# KiCad board accurate2_eval.kicad_pcb
title: EDA-04887-V1-0 Accurate 2A Evaluation Board; date: 2024-01-25; rev: 1; company: CERN; note: European Organization for Nuclear Research; note: CH-1211 Genève 23 - Switzerland; note: Licensed under CERN OHL-P v2; note: https://ohwr.org/project/accurate2-eval
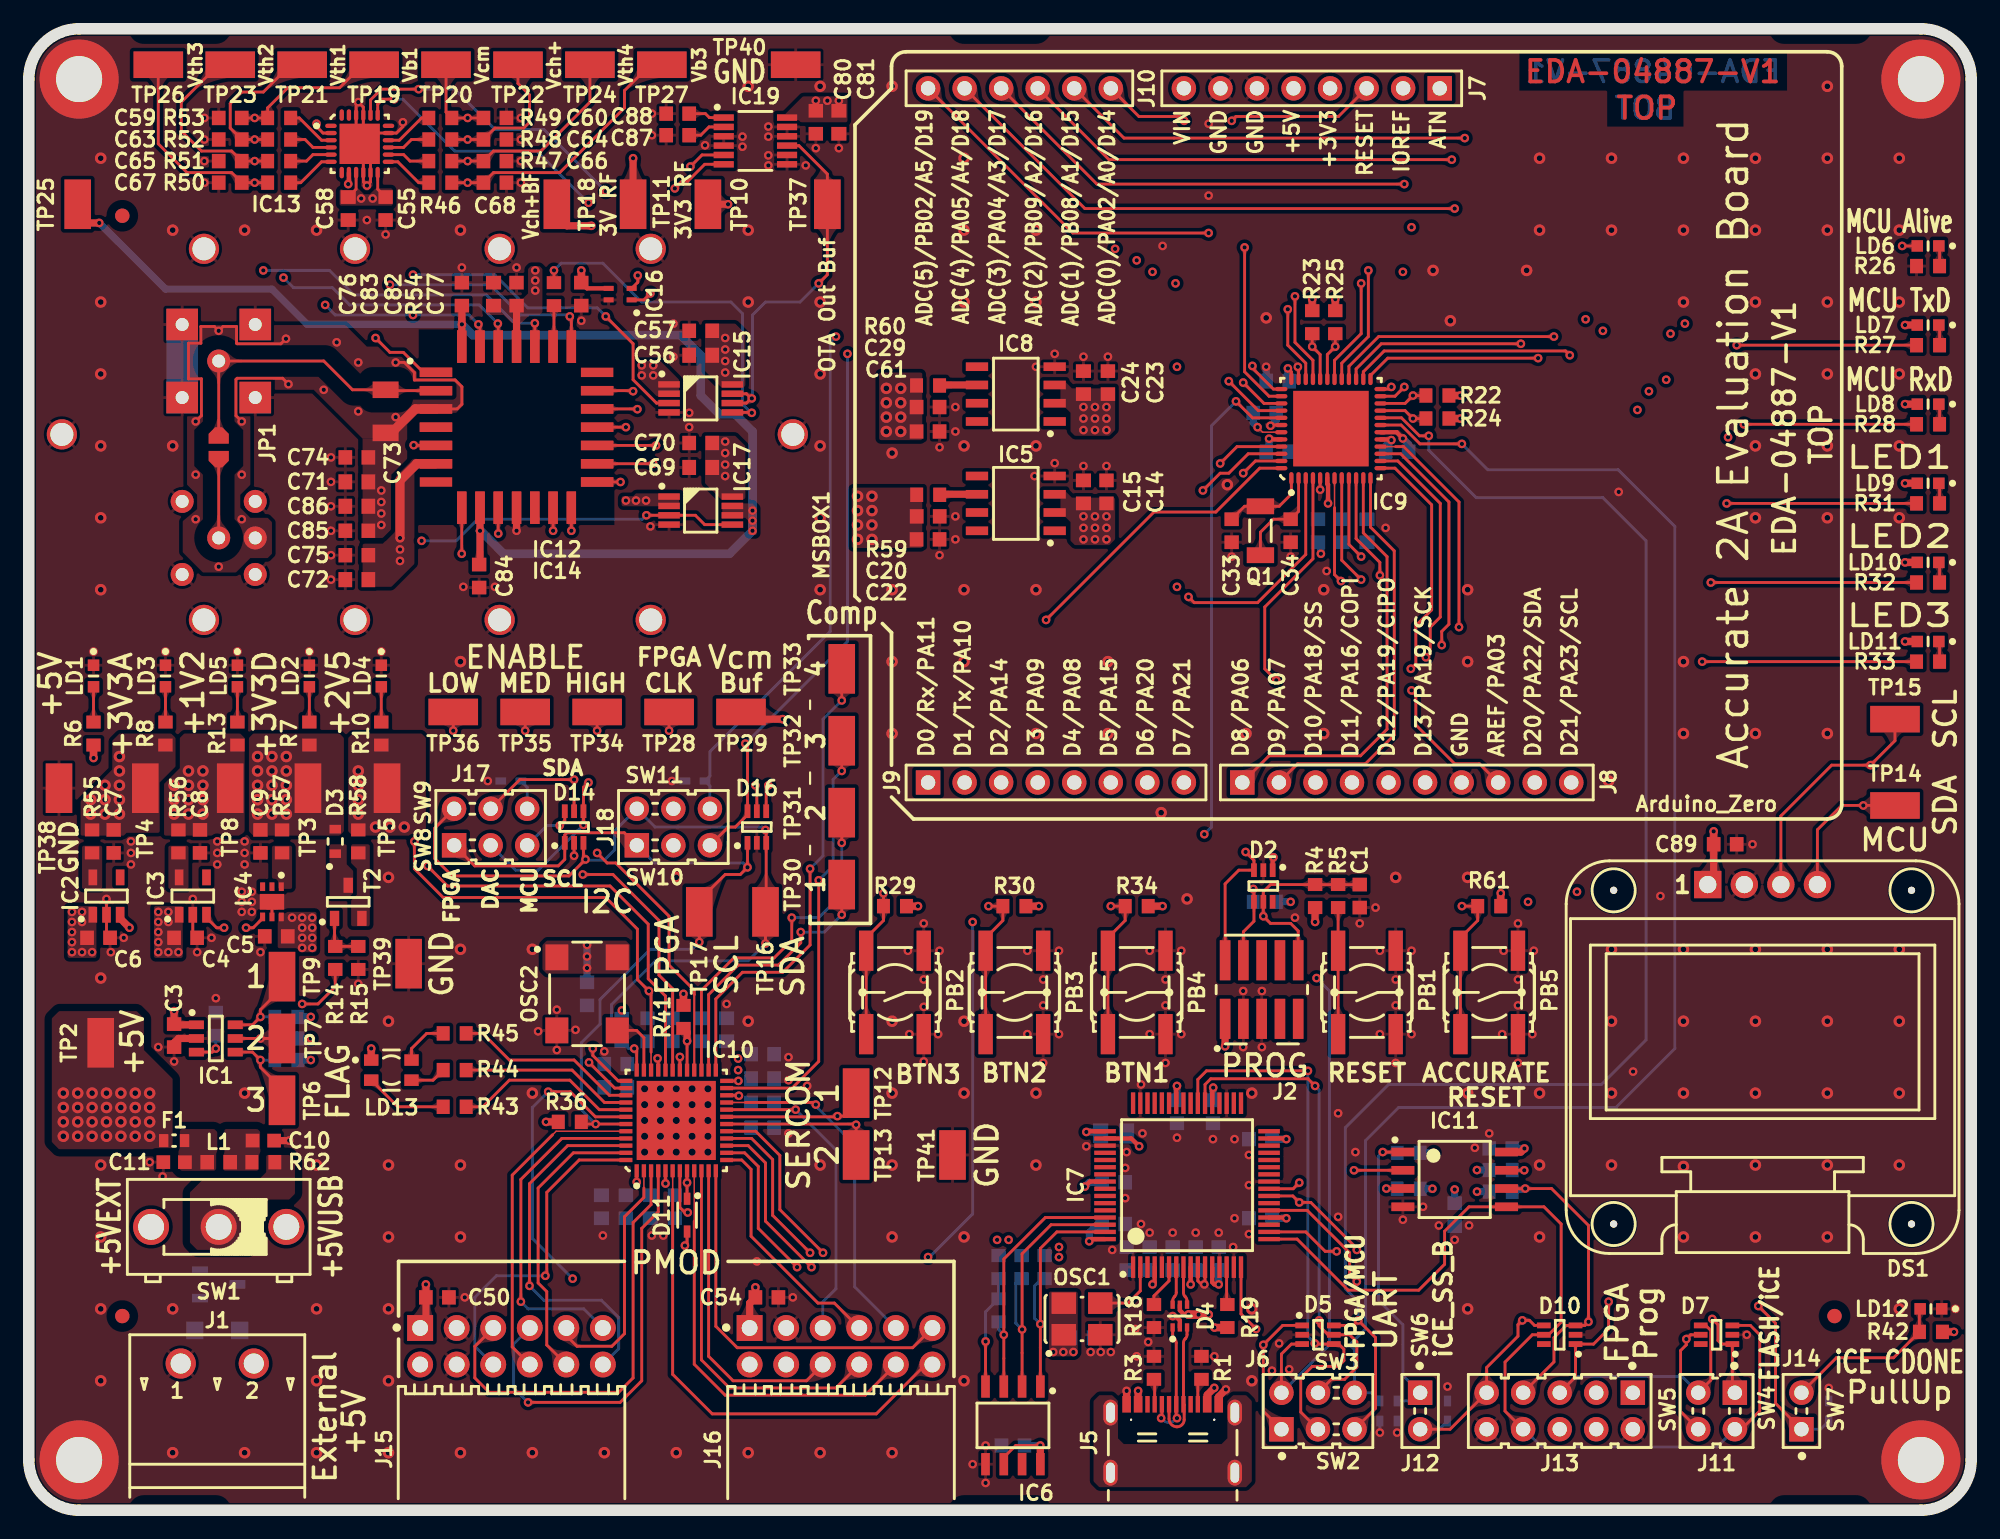
[diagram p0: board, top side]
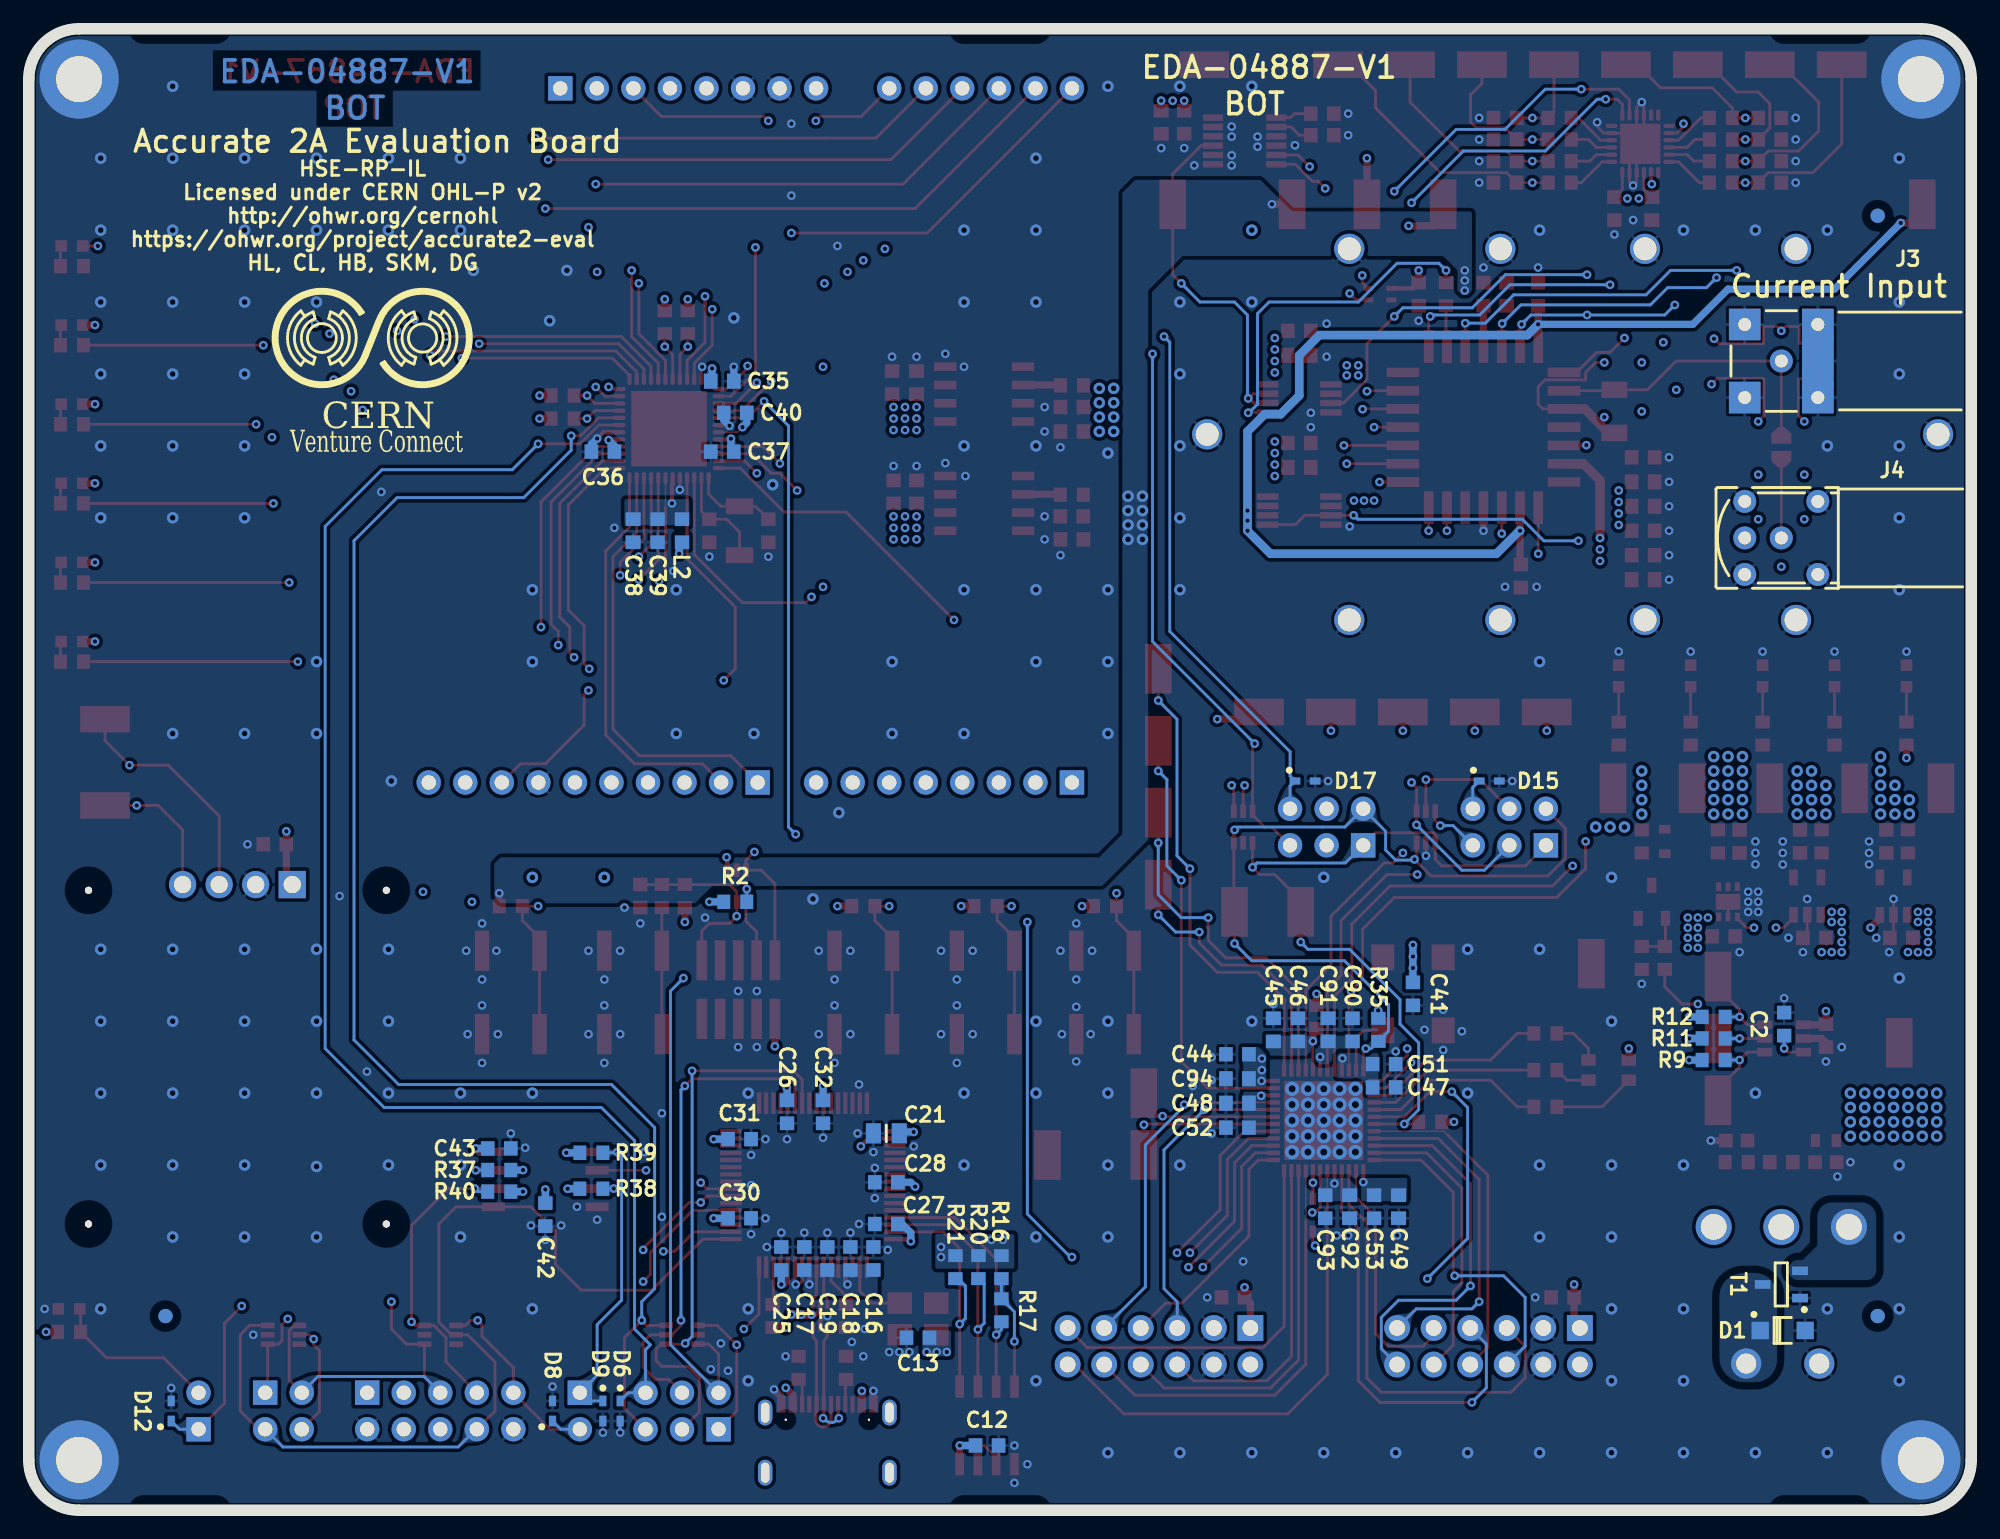
[diagram p1: board, bottom side, seen from below]

Outline 135 x 103 mm; copper layers: Top, Bonding, NotUsed, L2_GND, L3_SIG, L4_SIG, L5_GND, Bottom. Coordinates in mm from the lower left corner of the outline.
Outline path: 0,99.5 arc(1.03,101.97) 3.5,103 131.5,103 arc(133.97,101.97) 135,99.5 135,3.5 arc(133.97,1.03) 131.5,0 3.5,0 arc(1.03,1.03) 0,3.5 0,99.5
Stack: Top 0.035mm / dielectric 0.1mm FR4 er 4.5 / Bonding 0.035mm / dielectric 0.3mm FR4 er 4.5 / NotUsed 0.035mm / dielectric 0.1mm FR4 er 4.5 / L2_GND 0.035mm / dielectric 0.3mm FR4 er 4.5 / L3_SIG 0.035mm / dielectric 0.1mm FR4 er 4.5 / L4_SIG 0.035mm / dielectric 0.3mm FR4 er 4.5 / L5_GND 0.035mm / dielectric 0.1mm FR4 er 4.5 / Bottom 0.035mm

## Placement (name value [footprint] x y rotation side)
Arduino_Zero  -  [Arduino_Zero]  62.5 50.6 0 top
B1  PLATED_HOLE3.2_PAD5.5  [MTG320_550]  3.5 99.5 0 top
B2  PLATED_HOLE3.2_PAD5.5  [MTG320_550]  131.5 99.5 0 top
B3  PLATED_HOLE3.2_PAD5.5  [MTG320_550]  3.5 3.5 0 top
B4  PLATED_HOLE3.2_PAD5.5  [MTG320_550]  131.5 3.5 0 top
B5  NON-PLATED_HOLE2.5  [MTG250]  110.15 43.1 0 top
B6  NON-PLATED_HOLE2.5  [MTG250]  130.85 19.9 0 top
B7  NON-PLATED_HOLE2.5  [MTG250]  130.85 43.1 0 top
B8  NON-PLATED_HOLE2.5  [MTG250]  110.15 19.9 0 top
C1  CC0603_100NF_50V_10%_X7R  [CAPC1608X87N]  92.5 42.7 270 top
C2  CC0603_100NF_50V_10%_X7R  [CAPC1608X87N]  13 33.8 90 bottom
C3  CC0603_100NF_50V_10%_X7R  [CAPC1608X87N]  10.1 33 270 top
C4  CC0603_1UF_25V_10%_X7R  [CAPC1608X87N]  10.9 39.8 0 top
C5  CC0603_1UF_25V_10%_X7R  [CAPC1608X87N]  17.2 39.9 180 top
C6  CC0603_1UF_25V_10%_X7R  [CAPC1608X87N]  4.85 39.8 0 top
C7  CC0603_1UF_25V_10%_X7R  [CAPC1608X87N]  5.9 46.5 270 top
C8  CC0603_1UF_25V_10%_X7R  [CAPC1608X87N]  11.9 46.5 270 top
C9  CC0603_1UF_25V_10%_X7R  [CAPC1608X87N]  16.1 46.5 270 top
C10  CC0603_2.2UF_10V_20%_X7R  [CAPC1608X90N]  16.3 25.7 0 top
C11  CC0603_2.2UF_10V_20%_X7R  [CAPC1608X90N]  10.1 24.2 180 top
C12  CC0603_10NF_50V_10%_X7R  [CAPC1608X87N]  68.4 4.5 180 bottom
C13  CC0603_10NF_50V_10%_X7R  [CAPC1608X87N]  73.2 12 0 bottom
C14  CC0603_100NF_50V_10%_X7R  [CAPC1608X87N]  74.9 70.8 90 top
C15  CC0603_10UF_25V_20%_X5R  [CAPC1709X100N]  73.3 70.8 90 top
C16  CC0603_4.7UF_6.3V_10%_X5R  [CAPC1608X87N]  76.3 17.5 270 bottom
C17  CC0603_4.7UF_6.3V_10%_X5R  [CAPC1608X87N]  81.1 17.5 270 bottom
C18  CC0603_100NF_50V_10%_X7R  [CAPC1608X87N]  77.9 17.5 90 bottom
C19  CC0603_100NF_50V_10%_X7R  [CAPC1608X87N]  79.5 17.5 90 bottom
C20  CC0603_1UF_25V_10%_X7R  [CAPC1608X87N]  62.51 69.1 0 top
C21  CC0805_3.3UF_10V_10%_X5R  [CAPC2012X135N]  75.4 26.2 0 bottom
C22  CC0603_100NF_50V_10%_X7R  [CAPC1608X87N]  62.5 67.5 0 top
C23  CC0603_100NF_50V_10%_X7R  [CAPC1608X87N]  75 78.4 90 top
C24  CC0603_10UF_25V_20%_X5R  [CAPC1709X100N]  73.3 78.4 90 top
C25  CC0603_100NF_50V_10%_X7R  [CAPC1608X87N]  82.7 17.5 90 bottom
C26  CC0603_100NF_50V_10%_X7R  [CAPC1608X87N]  82.3 27.7 270 bottom
C27  CC0603_100NF_50V_10%_X7R  [CAPC1608X87N]  75.4 19.9 0 bottom
C28  CC0603_100NF_50V_10%_X7R  [CAPC1608X87N]  75.4 22.8 0 bottom
C29  CC0603_100NF_50V_10%_X7R  [CAPC1608X87N]  62.5 76.7 0 top
C30  CC0603_100NF_50V_10%_X7R  [CAPC1608X87N]  85.6 20.3 180 bottom
C31  CC0603_100NF_50V_10%_X7R  [CAPC1608X87N]  85.6 25.8 180 bottom
C32  CC0603_100NF_50V_10%_X7R  [CAPC1608X87N]  79.8 27.7 270 bottom
C33  CC0603_22PF_50V_5%_NP0  [CAPC1608X87N]  83.6 68.1 90 top
C34  CC0603_22PF_50V_5%_NP0  [CAPC1608X87N]  87.7 68.1 90 top
C35  CC0603_10UF_25V_20%_X5R  [CAPC1709X100N]  86.8 78.5 180 bottom
C36  CC0603_100NF_50V_10%_X7R  [CAPC1608X87N]  95.1 73.6 0 bottom
C37  CC0603_100NF_50V_10%_X7R  [CAPC1608X87N]  86.8 73.6 0 bottom
C38  CC0603_10UF_25V_20%_X5R  [CAPC1709X100N]  93 68.1 270 bottom
C39  CC0603_100NF_50V_10%_X7R  [CAPC1608X87N]  91.3 68.1 270 bottom
C40  CC0603_1UF_25V_10%_X7R  [CAPC1608X87N]  85.9 76.3 0 bottom
C41  CC0603_100NF_50V_10%_X7R  [CAPC1608X87N]  38.8 35.9 270 bottom
C42  CC0603_100NF_50V_10%_X7R  [CAPC1608X87N]  99.1 20.55 270 bottom
C43  CC0603_100NF_50V_10%_X7R  [CAPC1608X87N]  102.3 25.15 180 bottom
C44  CC0603_100NF_50V_10%_X7R  [CAPC1608X87N]  51 31.7 0 bottom
C45  CC0603_10UF_25V_20%_X5R  [CAPC1709X100N]  48.5 33.4 90 bottom
C46  CC0603_100NF_50V_10%_X7R  [CAPC1608X87N]  46.8 33.4 90 bottom
C47  CC0603_100NF_50V_10%_X7R  [CAPC1608X87N]  40.8 29.4 180 bottom
C48  CC0603_10UF_25V_20%_X5R  [CAPC1709X100N]  51 28.3 0 bottom
C49  CC0603_10UF_25V_20%_X5R  [CAPC1709X100N]  39.8 21.1 270 bottom
C50  CC0603_100NF_50V_10%_X7R  [CAPC1608X87N]  28.4 14.8 0 top
C51  CC0603_100NF_50V_10%_X7R  [CAPC1608X87N]  40.8 31.02 180 bottom
C52  CC0603_100NF_50V_10%_X7R  [CAPC1608X87N]  51 26.6 0 bottom
C53  CC0603_100NF_50V_10%_X7R  [CAPC1608X87N]  41.5 21.1 270 bottom
C54  CC0603_100NF_50V_10%_X7R  [CAPC1608X87N]  51.3 14.8 0 top
C55  CC0603_100NF_50V_10%_X7R  [CAPC1608X87N]  24.8 90.5 270 top
C56  CC0603_10UF_25V_20%_X5R  [CAPC1709X100N]  46.7 80.3 180 top
C57  CC0603_100NF_50V_10%_X7R  [CAPC1608X87N]  46.7 82 180 top
C58  CC0603_10UF_25V_20%_X5R  [CAPC1709X100N]  22.2 90.5 270 top
C59  CC0603_470PF_50V_5%_NP0  [CAPC1608X87N]  14 96.8 180 top  (not fitted)
C60  CC0603_470PF_50V_5%_NP0  [CAPC1608X87N]  32.4 96.8 0 top  (not fitted)
C61  CC0603_1UF_25V_10%_X7R  [CAPC1608X87N]  62.5 75 0 top
C63  CC0603_470PF_50V_5%_NP0  [CAPC1608X87N]  14 95.3 180 top  (not fitted)
C64  CC0603_470PF_50V_5%_NP0  [CAPC1608X87N]  32.4 95.3 0 top  (not fitted)
C65  CC0603_470PF_50V_5%_NP0  [CAPC1608X87N]  14 93.8 180 top  (not fitted)
C66  CC0603_470PF_50V_5%_NP0  [CAPC1608X87N]  32.4 93.8 0 top  (not fitted)
C67  CC0603_470PF_50V_5%_NP0  [CAPC1608X87N]  14 92.3 180 top  (not fitted)
C68  CC0603_470PF_50V_5%_NP0  [CAPC1608X87N]  32.4 92.3 0 top  (not fitted)
C69  CC0603_10UF_25V_20%_X5R  [CAPC1709X100N]  46.7 72.5 180 top
C70  CC0603_100NF_50V_10%_X7R  [CAPC1608X87N]  46.7 74.2 180 top
C71  CC0603_10UF_25V_20%_X5R  [CAPC1709X100N]  22.8 71.5 180 top
C72  CC0603_10UF_25V_20%_X5R  [CAPC1709X100N]  22.8 64.7 180 top
C73  CC1206_100NF_50V_10%_X7R  [CAPC3216X140N]  24.8 76.4 90 top  (not fitted)
C74  CC0603_100NF_50V_10%_X7R  [CAPC1608X87N]  22.8 73.2 180 top
C75  CC0603_100NF_50V_10%_X7R  [CAPC1608X87N]  22.8 66.4 180 top
C76  CC0603_100NF_50V_10%_X7R  [CAPC1608X87N]  30.1 84.55 90 top
C77  CC0603_100NF_50V_10%_X7R  [CAPC1608X87N]  38.4 84.55 270 top
C80  CC0603_100NF_50V_10%_X7R  [CAPC1608X87N]  54.7 96.5 270 top
C81  CC0603_10UF_25V_20%_X5R  [CAPC1709X100N]  56.3 96.5 270 top
C82  CC0603_100NF_50V_10%_X7R  [CAPC1608X87N]  33.9 84.55 90 top
C83  CC0603_10UF_25V_20%_X5R  [CAPC1709X100N]  32.3 84.55 90 top
C84  CC0603_100NF_50V_10%_X7R  [CAPC1608X87N]  31.3 64.95 270 top
C85  CC0603_100NF_50V_10%_X7R  [CAPC1608X87N]  22.8 68.1 180 top
C86  CC0603_10UF_25V_20%_X5R  [CAPC1709X100N]  22.8 69.8 180 top
C87  CC0603_100NF_50V_10%_X7R  [CAPC1608X87N]  45.1 95.6 180 top
C88  CC0603_100NF_50V_10%_X7R  [CAPC1608X87N]  45.1 97.1 180 top
C89  CC0603_1UF_25V_10%_X7R  [CAPC1608X87N]  117.9 46.3 0 top
C90  CC0603_100NF_50V_10%_X7R  [CAPC1608X87N]  43 33.4 90 bottom
C91  CC0603_10UF_25V_20%_X5R  [CAPC1709X100N]  44.7 33.4 90 bottom
C92  CC0603_10UF_25V_20%_X5R  [CAPC1709X100N]  43.2 21.1 270 bottom
C93  CC0603_100NF_50V_10%_X7R  [CAPC1608X87N]  44.9 21.1 270 bottom
C94  CC0603_10UF_25V_20%_X5R  [CAPC1709X100N]  51 30 0 bottom
D1  SMF5.0A  [SODFL3718X108N]  13.1 12.5 180 bottom
D2  PESD3V3L5UY  [SOT65P210X110-6N]  85.8 43.4 270 top
D3  CDBU0520-HF  [SOD-523F]  21.3 46.5 90 top
D4  USBLC6-2P6  [SOTFL50P160X60-6N]  80 13.5 90 top
D5  PESD3V3L5UY  [SOT65P210X110-6N]  89.6 12.2 0 top
D6  PESD3V3S1UB  [SODFL1608X65N]  93.9 6.9 270 bottom
D7  PESD3V3L5UY  [SOT65P210X110-6N]  117.3 12.2 180 top
D8  PESD3V3S1UB  [SODFL1608X65N]  98.6 6.9 90 bottom
D9  PESD3V3S1UB  [SODFL1608X65N]  95.1 6.9 270 bottom
D10  PESD3V3L5UY  [SOT65P210X110-6N]  106.4 12.2 180 top  (not fitted)
D11  1N4148WS  [SODFL2512X100N]  45.75 20.52 270 top
D12  PESD3V3S1UB  [SODFL1608X65N]  125.1 6.9 90 bottom
D14  PESD3V3L5UY  [SOT65P210X110-6N]  37.9 47.5 90 top
D15  PESD3V3S1UB  [SODFL1608X65N]  33.5 50.7 180 bottom
D16  PESD3V3L5UY  [SOT65P210X110-6N]  50.6 47.5 90 top
D17  PESD3V3S1UB  [SODFL1608X65N]  46.3 50.7 180 bottom
DS1  -  [DS_MIDAS_MDOB128064V2V-WI]  120.5 31.5 0 top
F1  FUS0603_BOURNS-SF-0603F050-2  [FUSC_BOURNS_SF-0603F]  10.1 25.7 180 top
FTG1  FIDUCIAL_TARGET_C100-200  [FIDUCIAL_TOP_C100-200]  6.5 90 0 top
FTG2  FIDUCIAL_TARGET_C100-200  [FIDUCIAL_TOP_C100-200]  6.5 13.5 0 top
FTG3  FIDUCIAL_TARGET_C100-200  [FIDUCIAL_TOP_C100-200]  125.5 13.5 0 top
FTG4  FIDUCIAL_TARGET_C100-200  [FIDUCIAL_TOP_C100-200]  6.5 90 180 bottom
FTG5  FIDUCIAL_TARGET_C100-200  [FIDUCIAL_TOP_C100-200]  6.5 13.5 180 bottom
FTG6  FIDUCIAL_TARGET_C100-200  [FIDUCIAL_TOP_C100-200]  125.5 13.5 180 bottom
IC1  LM3880-1AE/NOPB  [SOT95P280X145-6N]  13 32.8 0 top
IC2  LP5907MFX-3.3  [SOT95P280X145-5N]  5.4 42.7 90 top
IC3  LP5907MFX-1.2  [SOT95P280X145-5N]  11.4 42.7 90 top
IC4  LP5912-3.3DRVT  [SON65P200X200X80-7N-R110X170]  16.9 42.3 270 top
IC5  REF196GSZ  [SOIC127P600X175-8N]  68.6 70 180 top
IC6  93LC56CT-I/SN  [SOIC127P600X175-8N]  68.4 5.9 270 top
IC7  FT2232HL  [QFP50P1200X1200X160-64N]  80.5 22.6 90 top
IC8  REF193GS  [SOIC127P600X175-8N]  68.6 77.6 180 top
IC9  ATSAMD21G18A-MF  [QFN50P700X700X90-49N-S525]  90.5 75.2 90 top
IC10  ICE5LP4K-SG48I  [QFN50P700X700X100-49N-S550]  45 27.1 90 top
IC11  MT25QL128ABA1ESE-0SIT  [SOIC127P790X216-8N]  99.1 23 0 top
IC12  ACCURATE_2A_JLCC28  [CERN_aCCURATE_JLCC28]  33.9 75.3 0 top
IC13  DAC7578SRGE  [QFN50P400X400X100-25N-S280]  23 95 0 top
IC14  CERN_aCCURATE2_A_Chip1  [CERN_aCCURATE1]  33.9 75.3 0 top  (not fitted)
IC15  LM8272MMX  [SOP65P490X110-8N]  46.7 77.3 0 top
IC16  SHT41-AD1B  [SON80P150X150X80-4N]  41.1 84.55 180 top
IC17  LM8272MMX  [SOP65P490X110-8N]  46.7 69.5 0 top
IC19  LTC2471IMS  [SOP65P490X110-12N]  50.5 95.2 0 top
J1  -  [PHOENIX_1757242]  13.1 10.2 0 top
J2  -  [SAMTEC_FTSH-105-01-L-DV-K]  85.7 36.2 0 top
J3  -  [LEMO_EPK.00.250.NTN]  13.2 79.9 180 bottom
J4  -  [LEMO_EPL.00.650.NLN]  13.2 67.6 180 bottom  (not fitted)
J5  -  [GCT_USB4105-GF-A]  79.5 4.7 0 top
J6  -  [SAMTEC_HTSW-103-23-L-D]  89.6 6.9 0 top
J7  -  [SAMTEC_SSW-108-01-G-S]  89.17 98.86 180 top
J8  SAMTEC_SSW-110-01-G-S  [SAMTEC_SSW-110-01-X-S]  95.77 50.6 0 top
J9  -  [SAMTEC_SSW-108-01-G-S]  71.39 50.6 0 top
J10  -  [SAMTEC_SSW-106-01-L-S]  68.85 98.86 180 top
J11  -  [SAMTEC_HTSW-102-23-L-D]  117.3 6.9 180 top
J12  -  [SAMTEC_HTSW-101-23-L-D]  96.7 6.9 180 top
J13  -  [SAMTEC_HTSW-105-23-L-D]  106.4 6.9 180 top  (not fitted)
J14  -  [SAMTEC_HTSW-101-23-L-D]  123.2 6.9 0 top
J15  -  [SAMTEC_SSW-106-02-L-D-RA]  33.55 11.4 180 top
J16  -  [SAMTEC_SSW-106-02-L-D-RA]  56.45 11.4 180 top
J17  -  [SAMTEC_HTSW-103-23-L-D]  32.1 47.5 0 top
J18  -  [SAMTEC_HTSW-103-23-L-D]  44.8 47.5 0 top
JP1  SolderJumper_2_Bridged  [JUMPSMD0805_G50]  13.2 73.9 90 top
L1  IND0603_MURATA_BLM18SG221TN1  [INDC1608X95N]  13.2 24.2 180 top
L2  IND0603_MURATA_BLM18SG221TN1  [INDC1608X95N]  89.6 68.1 90 bottom
Layer Cart  -  [EDA-04887_LayerCart]  60.12 -43.38 0 top
LD1  -  [LED_LITEON_LTST-C193KGKT-5A]  4.5 58 270 top
LD2  -  [LED_LITEON_LTST-C193KGKT-5A]  19.5 58 270 top
LD3  -  [LED_LITEON_LTST-C193KGKT-5A]  9.5 58 270 top
LD4  -  [LED_LITEON_LTST-C193KGKT-5A]  24.5 58 270 top
LD5  -  [LED_LITEON_LTST-C193KGKT-5A]  14.5 58 270 top
LD6  -  [LED_LITEON_LTST-C193KGKT-5A]  132 87.9 180 top
LD7  -  [LED_LITEON_LTST-C193KSKT-5A]  132 82.4 180 top
LD8  -  [LED_LITEON_LTST-C193KSKT-5A]  132 76.9 180 top
LD9  -  [LED_LITEON_LTST-C193KSKT-5A]  132 71.4 180 top
LD10  -  [LED_LITEON_LTST-C193KSKT-5A]  132 65.9 180 top
LD11  -  [LED_LITEON_LTST-C193KSKT-5A]  132 60.4 180 top
LD12  -  [LED_LITEON_LTST-C193KGKT-5A]  132.2 14 180 top
LD13  LED_CREE_CLV1L-FKB-CJ1N1E1BB7B3B3  [LED_CREE_CLV1L-FKB]  25.2 30.6 0 top
Logo  -  [CERNLogo+n°EDA]  0 0 0 top
MSBOX1  MSBOX_PERANCEA_PFL6T  [MSBOX_PERANCEA_PFL2T]  27.7 74.8 90 top  (not fitted)
OSC1  OSC_12MHZ_ABRACON_ASFL1-12.000MHZ-EC  [OSC_ABRACON_ASFL1]  73.2 13.3 90 top
OSC2  OSC_100MHZ_IQD_LFSPXO022731  [OSC_IQD_CFPS-73]  38.8 35.9 0 top
Panelization  -  [EDA-04887_Panelization]  0 0 0 top
PB1  PB_C&K_KSC321JLFS  [PB_C&K_KSC321J]  93 36 90 top
PB2  PB_C&K_KSC321JLFS  [PB_C&K_KSC321J]  60.2 36 90 top
PB3  PB_C&K_KSC321JLFS  [PB_C&K_KSC321J]  68.5 36 90 top
PB4  PB_C&K_KSC321JLFS  [PB_C&K_KSC321J]  77 36 90 top
PB5  PB_C&K_KSC321JLFS  [PB_C&K_KSC321J]  101.5 36 90 top
Q1  XTAL_32.768KHZ_ABRACON_ABS09-32.768KHZ-T  [XTAL_ABRACON_ABS09]  85.6 68.1 90 top
R1  R0603_5K1_1%_0.1W_100PPM  [RESC1608X55N]  81.5 9.9 90 top
R2  R0603_1K_1%_0.1W_100PPM  [RESC1608X55N]  85.9 42.3 180 bottom
R3  R0603_5K1_1%_0.1W_100PPM  [RESC1608X55N]  78.2 9.9 90 top
R4  R0603_10K_1%_0.1W_100PPM  [RESC1608X55N]  89.4 42.7 90 top
R5  R0603_330R_1%_0.1W_100PPM  [RESC1608X55N]  91 42.7 270 top
R6  R0603_2K2_1%_0.1W_100PPM  [RESC1608X55N]  4.5 54 270 top
R7  R0603_1K_1%_0.1W_100PPM  [RESC1608X55N]  19.5 54 90 top
R8  R0603_1K_1%_0.1W_100PPM  [RESC1608X55N]  9.5 54 90 top
R9  R0603_100K_1%_0.1W_100PPM  [RESC1608X55N]  17.9 31.3 180 bottom
R10  R0603_1K_1%_0.1W_100PPM  [RESC1608X55N]  24.5 54 90 top
R11  R0603_100K_1%_0.1W_100PPM  [RESC1608X55N]  17.9 32.8 180 bottom
R12  R0603_100K_1%_0.1W_100PPM  [RESC1608X55N]  17.9 34.3 180 bottom
R13  R0603_1K_1%_0.1W_100PPM  [RESC1608X55N]  14.5 54 90 top
R14  R0603_470R_1%_0.1W_100PPM  [RESC1608X55N]  21.3 38.4 90 top
R15  R0603_330R_1%_0.1W_100PPM  [RESC1608X55N]  22.9 38.4 270 top
R16  R0603_10K_1%_0.1W_100PPM  [RESC1608X55N]  67.4 16.9 90 bottom
R17  R0603_2K2_1%_0.1W_100PPM  [RESC1608X55N]  67.4 13.9 270 bottom
R18  R0603_12K_1%_0.1W_100PPM  [RESC1608X55N]  78.2 13.5 90 top
R19  R0603_1K_1%_0.1W_100PPM  [RESC1608X55N]  83.3 13.5 90 top
R20  R0603_10K_1%_0.1W_100PPM  [RESC1608X55N]  69 16.9 90 bottom
R21  R0603_10K_1%_0.1W_100PPM  [RESC1608X55N]  70.6 16.9 90 bottom
R22  R0603_4K7_1%_0.1W_100PPM  [RESC1608X55N]  97.9 77.5 0 top  (not fitted)
R23  R0603_4K7_1%_0.1W_100PPM  [RESC1608X55N]  89.2 82.6 90 top
R24  R0603_4K7_1%_0.1W_100PPM  [RESC1608X55N]  97.9 75.9 0 top  (not fitted)
R25  R0603_4K7_1%_0.1W_100PPM  [RESC1608X55N]  90.8 82.6 90 top
R26  R0603_470R_1%_0.1W_100PPM  [RESC1608X55N]  132 86.5 180 top
R27  R0603_470R_1%_0.1W_100PPM  [RESC1608X55N]  132 81 180 top
R28  R0603_470R_1%_0.1W_100PPM  [RESC1608X55N]  132 75.5 180 top
R29  R0603_1K_1%_0.1W_100PPM  [RESC1608X55N]  60.2 42 180 top
R30  R0603_1K_1%_0.1W_100PPM  [RESC1608X55N]  68.5 42 180 top
R31  R0603_1K_1%_0.1W_100PPM  [RESC1608X55N]  132 70 180 top
R32  R0603_1K_1%_0.1W_100PPM  [RESC1608X55N]  132 64.5 180 top
R33  R0603_1K_1%_0.1W_100PPM  [RESC1608X55N]  132 59 180 top
R34  R0603_1K_1%_0.1W_100PPM  [RESC1608X55N]  77 42 180 top
R35  R0603_4K7_1%_0.1W_100PPM  [RESC1608X55N]  41.2 33.4 90 bottom  (not fitted)
R36  R0603_4K7_1%_0.1W_100PPM  [RESC1608X55N]  37.6 27 180 top  (not fitted)
R37  R0603_10K_1%_0.1W_100PPM  [RESC1608X55N]  102.3 23.65 180 bottom
R38  R0603_10K_1%_0.1W_100PPM  [RESC1608X55N]  95.9 22.35 0 bottom
R39  R0603_10K_1%_0.1W_100PPM  [RESC1608X55N]  95.9 24.85 0 bottom
R40  R0603_10K_1%_0.1W_100PPM  [RESC1608X55N]  102.3 22.15 180 bottom
R41  R0603_100R_1%_0.1W_100PPM  [RESC1608X55N]  45.5 34.3 90 top
R42  R0603_1K_1%_0.1W_100PPM  [RESC1608X55N]  132.2 12.4 180 top
R43  R0603_2K2_1%_0.1W_100PPM  [RESC1608X55N]  29.6 28.05 180 top
R44  R0603_2K2_1%_0.1W_100PPM  [RESC1608X55N]  29.6 30.6 180 top
R45  R0603_2K2_1%_0.1W_100PPM  [RESC1608X55N]  29.6 33.15 180 top
R46  R0603_0R_JUMPER  [RESC1608X55N]  28.6 92.3 0 top
R47  R0603_0R_JUMPER  [RESC1608X55N]  28.6 93.8 0 top
R48  R0603_0R_JUMPER  [RESC1608X55N]  28.6 95.3 0 top
R49  R0603_0R_JUMPER  [RESC1608X55N]  28.6 96.8 0 top
R50  R0603_0R_JUMPER  [RESC1608X55N]  17.4 92.3 180 top
R51  R0603_0R_JUMPER  [RESC1608X55N]  17.4 93.8 180 top
R52  R0603_0R_JUMPER  [RESC1608X55N]  17.4 95.3 180 top
R53  R0603_0R_JUMPER  [RESC1608X55N]  17.4 96.8 180 top
R54  R0603_0R_JUMPER  [RESC1608X55N]  36.5 84.55 90 top
R55  R0603_0R_JUMPER  [RESC1608X55N]  4.4 46.5 90 top
R56  R0603_0R_JUMPER  [RESC1608X55N]  10.4 46.5 90 top
R57  R0603_0R_JUMPER  [RESC1608X55N]  17.6 46.5 90 top
R58  R0603_0R_JUMPER  [RESC1608X55N]  22.9 46.5 270 top
R59  R0603_0R_JUMPER  [RESC1608X55N]  62.51 70.6 180 top
R60  R0603_0R_JUMPER  [RESC1608X55N]  62.5 78.2 180 top
R61  R0603_10K_1%_0.1W_100PPM  [RESC1608X55N]  101.5 42 0 top
R62  R0603_0R_JUMPER  [RESC1608X55N]  16.3 24.2 180 top
SW1  -  [SW_NKK_MS12ANW03]  13.2 19.7 270 top
SW2  HARWIN_M50-1900005  [STELVIO-KONTEK_3131730000400]  92.14 5.63 180 top
SW3  HARWIN_M50-1900005  [STELVIO-KONTEK_3131730000400]  92.14 8.17 180 top
SW4  HARWIN_M50-1900005  [STELVIO-KONTEK_3131730000400]  118.57 8.17 270 top
SW5  HARWIN_M50-1900005  [STELVIO-KONTEK_3131730000400]  116.03 8.17 270 top
SW6  HARWIN_M50-1900005  [STELVIO-KONTEK_3131730000400]  96.7 5.63 90 top
SW7  HARWIN_M50-1900005  [STELVIO-KONTEK_3131730000400]  123.2 8.17 270 top
SW8  HARWIN_M50-1900005  [STELVIO-KONTEK_3131730000400]  29.56 46.23 0 top
SW9  HARWIN_M50-1900005  [STELVIO-KONTEK_3131730000400]  29.56 48.77 0 top
SW10  HARWIN_M50-1900005  [STELVIO-KONTEK_3131730000400]  42.26 46.23 0 top
SW11  HARWIN_M50-1900005  [STELVIO-KONTEK_3131730000400]  42.26 48.77 0 top
T1  DMP2066LSN-7  [SOT95P285X140-3N]  13.2 15.7 0 bottom
T2  2N7002  [SOT95P240X130-3N]  22.2 42.3 90 top
TP2  -  [HARWIN_S1751-46]  5 32.5 90 top
TP3  -  [HARWIN_S1751-46]  19.4 50.2 90 top
TP4  -  [HARWIN_S1751-46]  8.1 50.2 90 top
TP5  -  [HARWIN_S1751-46]  24.9 50.2 90 top
TP6  -  [HARWIN_S1751-46]  17.6 28.5 90 top
TP7  -  [HARWIN_S1751-46]  17.6 32.8 270 top
TP8  -  [HARWIN_S1751-46]  14 50.2 90 top
TP9  -  [HARWIN_S1751-46]  17.6 37.1 90 top
TP10  -  [HARWIN_S1751-46]  47.2 90.8 270 top
TP11  -  [HARWIN_S1751-46]  42 90.8 90 top
TP12  -  [HARWIN_S1751-46]  57.5 29 90 top
TP13  -  [HARWIN_S1751-46]  57.5 24.7 90 top
TP14  -  [HARWIN_S1751-46]  129.7 49 0 top
TP15  -  [HARWIN_S1751-46]  129.7 55 0 top
TP16  -  [HARWIN_S1751-46]  51.2 41.6 90 top
TP17  -  [HARWIN_S1751-46]  46.6 41.6 90 top
TP18  -  [HARWIN_S1751-46]  36.7 90.8 90 top